# KiCad board backplane.kicad_pcb (continued)
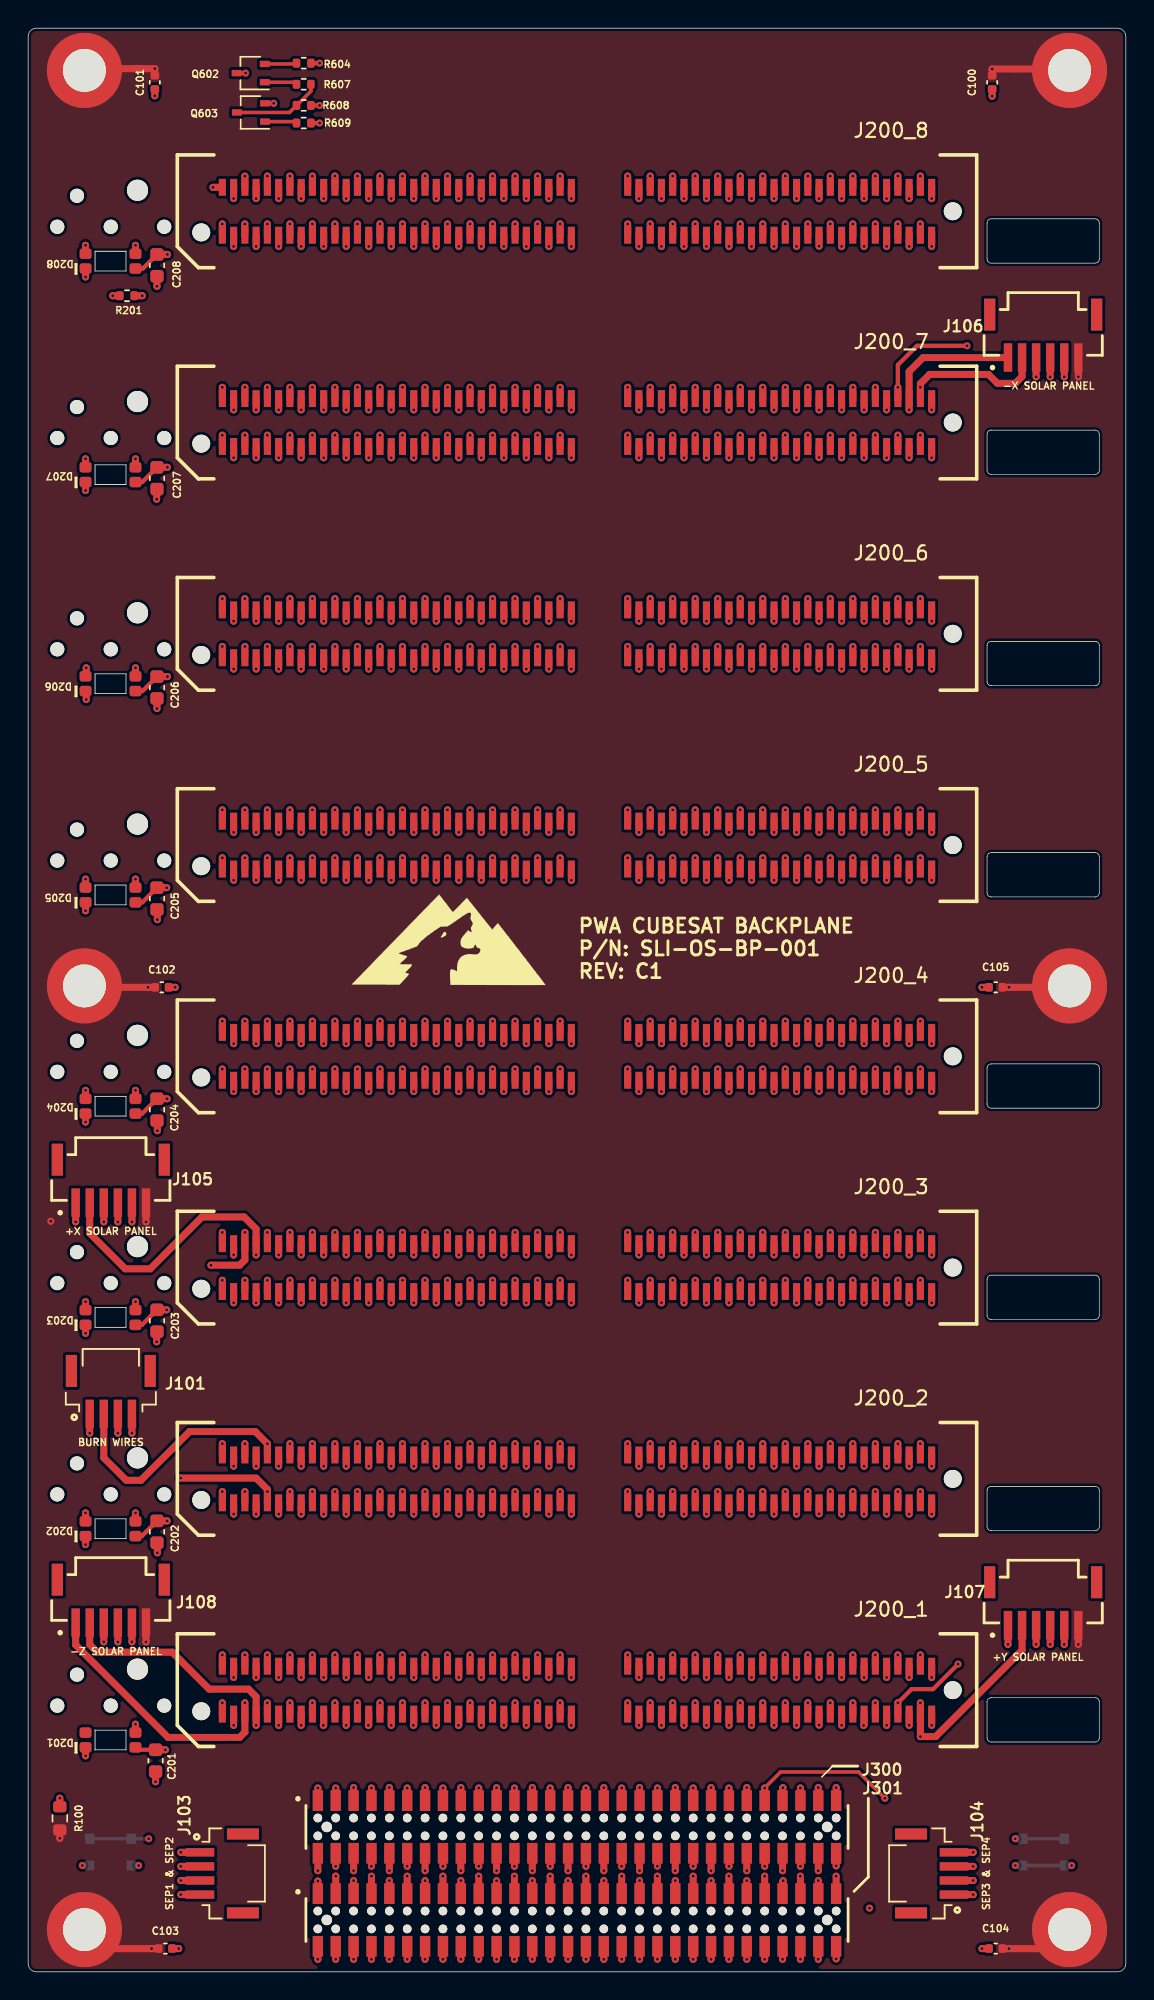
[diagram p0: board, top side]
## Routing (per net, layer and track width the routed paths; a pad name or vN(x,y) marks a point on that pad's centre or on a via; arc(x,y) is an arc through that point) (continued)
/H2-36: length 139.7
  Top w0.5: v1(48.2,20.9) 48.2,21.8 ; J301.40 v1(44.72,0.9) ; v1(48.2,110.9) 48.2,111.8 ; v1(48.2,95.9) 48.2,96.8 ; v1(48.2,65.9) 48.2,66.8 ; v1(48.2,35.9) 48.2,36.8 ; v1(48.2,125.9) 48.2,126.8 ; v1(48.2,50.9) 48.2,51.8 ; v1(48.2,80.9) 48.2,81.8
  In2.Cu w0.25: v1(48.2,20.9) 48.2,18.94 47.62,18.36 47.62,16.81 44.08,13.27 44.08,1.52 44.72,0.89
  In2.Cu w0.5: v1(48.2,125.9) 48.2,123.68 47.4,122.87 47.4,122.3 48.2,121.5 v1(48.2,110.9) ; 48.2,110.9 48.2,108.68 47.4,107.87 47.4,107.3 48.2,106.5 v1(48.2,95.9) 48.2,93.68 47.4,92.87 47.4,92.3 48.2,91.5 v1(48.2,80.9) 48.2,78.68 47.4,77.87 47.4,77.3 48.2,76.5 v1(48.2,65.9) 48.2,63.68 47.4,62.87 47.4,62.3 48.2,61.5 v1(48.2,50.9) 48.2,48.68 47.4,47.87 47.4,47.3 48.2,46.5 v1(48.2,35.9) 48.2,33.68 47.4,32.87 47.4,32.3 48.2,31.5 v1(48.2,20.9)
/H2-37: length 131.2
  Top w0.5: v1(49.8,17.5) 49.8,18.4 ; J301.41 v1(45.98,6.48) ; v1(49.8,62.5) 49.8,63.4 ; v1(49.8,32.5) 49.8,33.4 ; v1(49.8,107.5) 49.8,108.4 ; v1(49.8,77.5) 49.8,78.4 ; v1(49.8,47.5) 49.8,48.4 ; v1(49.8,122.5) 49.8,123.4 ; v1(49.8,92.5) 49.8,93.4
  In4.Cu w0.25: v1(49.8,17.5) 49.55,17.5 45.35,13.3 45.35,11.05 45.35,11.05 45.35,6.76 45.63,6.48 v1(45.98,6.48)
  In4.Cu w0.5: v1(49.8,17.5) 49.8,19.47 49,20.28 49,21.3 49.8,22.1 v1(49.8,32.5) 49.8,34.47 49,35.28 49,36.3 49.8,37.1 49.8,47.5 ; v1(49.8,47.5) 49.8,49.48 49,50.28 49,51.3 49.8,52.1 v1(49.8,62.5) 49.8,64.48 49,65.28 49,66.3 49.8,67.1 v1(49.8,77.5) 49.8,79.48 49,80.28 49,81.3 49.8,82.1 v1(49.8,92.5) 49.8,94.48 49,95.28 49,96.3 49.8,97.1 v1(49.8,107.5) 49.8,109.48 49,110.28 49,111.3 49.8,112.1 v1(49.8,122.5)
/H2-38: length 139.9
  Top w0.5: v1(49.8,20.9) 49.8,21.8 ; v1(49.8,35.9) 49.8,36.8 ; v1(49.8,95.9) 49.8,96.8 ; v1(49.8,50.9) 49.8,51.8 ; J301.42 v1(45.98,0.89) ; v1(49.8,80.9) 49.8,81.8 ; v1(49.8,125.9) 49.8,126.8 ; v1(49.8,65.9) 49.8,66.8 ; v1(49.8,110.9) 49.8,111.8
  In2.Cu w0.25: v1(49.8,20.9) 49.8,18.94 49.22,18.36 49.22,17.17 45.35,13.3 45.35,1.52 v1(45.98,0.89)
  In2.Cu w0.5: v1(49.8,125.9) 49.8,123.68 49,122.87 49,122.3 49.8,121.5 v1(49.8,110.9) ; 49.8,110.9 49.8,108.68 49,107.87 49,107.3 49.8,106.5 v1(49.8,95.9) 49.8,93.68 49,92.87 49,92.3 49.8,91.5 v1(49.8,80.9) 49.8,78.68 49,77.87 49,77.3 49.8,76.5 v1(49.8,65.9) 49.8,63.68 49,62.87 49,62.3 49.8,61.5 v1(49.8,50.9) 49.8,48.68 49,47.87 49,47.3 49.8,46.5 v1(49.8,35.9) 49.8,33.68 49,32.87 49,32.3 49.8,31.5 v1(49.8,20.9)
/H2-39: length 131.5
  Top w0.5: v1(51.4,17.5) 51.4,18.4 ; v1(51.4,107.5) 51.4,108.4 ; v1(51.4,77.5) 51.4,78.4 ; v1(51.4,47.5) 51.4,48.4 ; v1(51.4,122.5) 51.4,123.4 ; v1(51.4,62.5) 51.4,63.4 ; v1(51.4,92.5) 51.4,93.4 ; J301.43 47.25,6.79 ; v1(51.4,32.5) 51.4,33.4
  In4.Cu w0.25: v1(47.25,6.79) 46.9,6.79 46.62,7.07 46.62,13.27 50.85,17.5 v1(51.4,17.5)
  In4.Cu w0.5: v1(51.4,17.5) 51.4,19.47 50.6,20.28 50.6,21.3 51.4,22.1 v1(51.4,32.5) 51.4,34.47 50.6,35.28 50.6,36.3 51.4,37.1 51.4,47.5 ; v1(51.4,47.5) 51.4,49.48 50.6,50.28 50.6,51.3 51.4,52.1 v1(51.4,62.5) 51.4,64.48 50.6,65.28 50.6,66.3 51.4,67.1 v1(51.4,77.5) 51.4,79.48 50.6,80.28 50.6,81.3 51.4,82.1 v1(51.4,92.5) 51.4,94.48 50.6,95.28 50.6,96.3 51.4,97.1 v1(51.4,107.5) 51.4,109.48 50.6,110.28 50.6,111.3 51.4,112.1 v1(51.4,122.5)
/H2-40: length 140
  Top w0.5: v1(51.4,20.9) 51.4,21.8 ; J301.44 v1(47.25,0.89) ; v1(51.4,65.9) 51.4,66.8 ; v1(51.4,50.9) 51.4,51.8 ; v1(51.4,110.9) 51.4,111.8 ; v1(51.4,95.9) 51.4,96.8 ; v1(51.4,35.9) 51.4,36.8 ; v1(51.4,80.9) 51.4,81.8 ; v1(51.4,125.9) 51.4,126.8
  In2.Cu w0.25: v1(51.4,20.9) 51.4,18.94 50.82,18.36 50.82,17.47 46.62,13.27 46.62,1.52 v1(47.25,0.89)
  In2.Cu w0.5: v1(51.4,125.9) 51.4,123.68 50.6,122.87 50.6,122.3 51.4,121.5 v1(51.4,110.9) ; 51.4,110.9 51.4,108.68 50.6,107.87 50.6,107.3 51.4,106.5 v1(51.4,95.9) 51.4,93.68 50.6,92.87 50.6,92.3 51.4,91.5 v1(51.4,80.9) 51.4,78.68 50.6,77.87 50.6,77.3 51.4,76.5 v1(51.4,65.9) 51.4,63.68 50.6,62.87 50.6,62.3 51.4,61.5 v1(51.4,50.9) 51.4,48.68 50.6,47.87 50.6,47.3 51.4,46.5 v1(51.4,35.9) 51.4,33.68 50.6,32.87 50.6,32.3 51.4,31.5 v1(51.4,20.9)
/H2-41: length 131.9
  Top w0.5: v1(53,17.5) 53,18.4 ; J301.45 v1(48.53,6.48) ; v1(53,62.5) 53,63.4 ; v1(53,32.5) 53,33.4 ; v1(53,47.5) 53,48.4 ; v1(53,122.5) 53,123.4 ; v1(53,77.5) 53,78.4 ; v1(53,92.5) 53,93.4 ; v1(53,107.5) 53,108.4
  In4.Cu w0.25: v1(48.53,6.48) 48.17,6.48 47.89,6.76 47.89,13.3 51.51,16.92 52.42,16.92 v1(53,17.5)
  In4.Cu w0.5: v1(53,17.5) 53,19.47 52.2,20.28 52.2,21.3 53,22.1 v1(53,32.5) 53,34.47 52.2,35.28 52.2,36.3 53,37.1 53,47.5 ; v1(53,122.5) 53,112.1 52.2,111.3 52.2,110.28 53,109.48 v1(53,107.5) 53,97.1 52.2,96.3 52.2,95.28 53,94.48 v1(53,92.5) 53,82.1 52.2,81.3 52.2,80.28 53,79.48 v1(53,77.5) 53,67.1 52.2,66.3 52.2,65.28 53,64.48 v1(53,62.5) 53,52.1 52.2,51.3 52.2,50.28 53,49.48 v1(53,47.5)
/H2-42: length 140.5
  Top w0.5: v1(53,20.9) 53,21.8 ; v1(53,95.9) 53,96.8 ; v1(53,35.9) 53,36.8 ; v1(53,125.9) 53,126.8 ; v1(53,50.9) 53,51.8 ; J301.46 v1(48.53,0.89) ; v1(53,80.9) 53,81.8 ; v1(53,110.9) 53,111.8 ; v1(53,65.9) 53,66.8
  In2.Cu w0.25: v1(53,20.9) 53,18.94 52.42,18.36 52.42,17.67 51.68,16.92 51.12,16.92 47.89,13.69 47.89,1.52 v1(48.53,0.89)
  In2.Cu w0.5: v1(53,125.9) 53,123.68 52.2,122.87 52.2,122.3 53,121.5 v1(53,110.9) ; 53,110.9 53,108.68 52.2,107.87 52.2,107.3 53,106.5 v1(53,95.9) 53,93.68 52.2,92.87 52.2,92.3 53,91.5 v1(53,80.9) 53,78.68 52.2,77.87 52.2,77.3 53,76.5 v1(53,65.9) 53,63.68 52.2,62.87 52.2,62.3 53,61.5 v1(53,50.9) 53,48.68 52.2,47.87 52.2,47.3 53,46.5 v1(53,35.9) 53,33.68 52.2,32.87 52.2,32.3 53,31.5 v1(53,20.9)
/H2-43: length 132.2
  Top w0.5: v1(54.6,17.5) 54.6,18.4 ; v1(54.6,107.5) 54.6,108.4 ; v1(54.6,62.5) 54.6,63.4 ; v1(54.6,32.5) 54.6,33.4 ; v1(54.6,47.5) 54.6,48.4 ; v1(54.6,122.5) 54.6,123.4 ; v1(54.6,77.5) 54.6,78.4 ; v1(54.6,92.5) 54.6,93.4 ; J301.47 49.8,6.79
  In4.Cu w0.25: v1(54.6,17.5) 53.57,16.47 52.36,16.47 49.16,13.27 49.16,7.07 49.44,6.79 v1(49.79,6.79)
  In4.Cu w0.5: v1(54.6,17.5) 54.6,19.47 53.8,20.28 53.8,21.3 54.6,22.1 v1(54.6,32.5) 54.6,34.47 53.8,35.28 53.8,36.3 54.6,37.1 54.6,47.5 ; v1(54.6,122.5) 54.6,112.1 53.8,111.3 53.8,110.28 54.6,109.48 v1(54.6,107.5) 54.6,97.1 53.8,96.3 53.8,95.28 54.6,94.48 v1(54.6,92.5) 54.6,82.1 53.8,81.3 53.8,80.28 54.6,79.48 v1(54.6,77.5) 54.6,67.1 53.8,66.3 53.8,65.28 54.6,64.48 v1(54.6,62.5) 54.6,52.1 53.8,51.3 53.8,50.28 54.6,49.48 v1(54.6,47.5)
/H2-44: length 140.5
  Top w0.5: v1(54.6,20.9) 54.6,21.8 ; J301.48 v1(49.8,0.89) ; v1(54.6,125.9) 54.6,126.8 ; v1(54.6,80.9) 54.6,81.8 ; v1(54.6,95.9) 54.6,96.8 ; v1(54.6,50.9) 54.6,51.8 ; v1(54.6,65.9) 54.6,66.8 ; v1(54.6,35.9) 54.6,36.8 ; v1(54.6,110.9) 54.6,111.8
  In2.Cu w0.25: v1(54.6,20.9) 54.6,18.94 54.02,18.36 54.02,17.67 53.28,16.92 52.81,16.92 49.16,13.27 49.16,1.52 v1(49.8,0.89)
  In2.Cu w0.5: v1(54.6,125.9) 54.6,123.68 53.8,122.87 53.8,122.3 54.6,121.5 v1(54.6,110.9) ; 54.6,110.9 54.6,108.68 53.8,107.87 53.8,107.3 54.6,106.5 v1(54.6,95.9) 54.6,93.68 53.8,92.87 53.8,92.3 54.6,91.5 v1(54.6,80.9) 54.6,78.68 53.8,77.87 53.8,77.3 54.6,76.5 v1(54.6,65.9) 54.6,63.68 53.8,62.87 53.8,62.3 54.6,61.5 v1(54.6,50.9) 54.6,48.68 53.8,47.87 53.8,47.3 54.6,46.5 v1(54.6,35.9) 54.6,33.68 53.8,32.87 53.8,32.3 54.6,31.5 v1(54.6,20.9)
/H2-45: length 132.4
  Top w0.5: v1(56.2,122.52) 56.2,123.4 ; v1(56.2,17.52) 56.2,18.4 ; J301.49 v1(51.06,6.48) ; v1(56.2,47.52) 56.2,48.4 ; v1(56.2,92.52) 56.2,93.4 ; v1(56.2,32.52) 56.2,33.4 ; v1(56.2,77.52) 56.2,78.4 ; v1(56.2,107.52) 56.2,108.4 ; v1(56.2,62.52) 56.2,63.4
  In4.Cu w0.25: v1(56.2,17.52) 54.7,16.02 53.14,16.02 50.43,13.3 50.43,6.76 50.71,6.48 v1(51.06,6.48)
  In4.Cu w0.5: 56.2,17.5 56.2,19.47 55.4,20.28 55.4,21.3 56.2,22.1 56.2,34.47 55.4,35.28 55.4,36.3 56.2,37.1 56.2,47.5 ; 56.2,47.5 56.2,49.48 55.4,50.28 55.4,51.3 56.2,52.1 56.2,64.48 55.4,65.28 55.4,66.3 56.2,67.1 56.2,79.48 55.4,80.28 55.4,81.3 56.2,82.1 56.2,94.48 55.4,95.28 55.4,96.3 56.2,97.1 56.2,109.48 55.4,110.28 55.4,111.3 56.2,112.1 56.2,122.5
/H2-46: length 141
  Top w0.5: v1(56.2,20.9) 56.2,21.8 ; v1(56.2,95.9) 56.2,96.8 ; v1(56.2,65.9) 56.2,66.8 ; v1(56.2,50.9) 56.2,51.8 ; J301.50 v1(51.06,0.89) ; v1(56.2,35.9) 56.2,36.8 ; v1(56.2,125.9) 56.2,126.8 ; 56.2,110.9 56.2,111.8 ; v1(56.2,80.9) 56.2,81.8
  In2.Cu w0.25: v1(56.2,20.9) 56.2,18.94 55.18,17.92 55.18,17.22 54.88,16.92 53.92,16.92 50.43,13.44 50.43,1.52 v1(51.06,0.89)
  In2.Cu w0.5: v1(56.2,125.9) 56.2,123.68 55.4,122.87 55.4,122.3 56.2,121.5 56.2,110.9 ; v1(56.2,110.9) 56.2,108.68 55.4,107.87 55.4,107.3 56.2,106.5 v1(56.2,95.9) 56.2,93.68 55.4,92.87 55.4,92.3 56.2,91.5 v1(56.2,80.9) 56.2,78.68 55.4,77.87 55.4,77.3 56.2,76.5 v1(56.2,65.9) 56.2,63.68 55.4,62.87 55.4,62.3 56.2,61.5 v1(56.2,50.9) 56.2,48.68 55.4,47.87 55.4,47.3 56.2,46.5 v1(56.2,35.9) 56.2,33.68 55.4,32.87 55.4,32.3 56.2,31.5 v1(56.2,20.9)
/H2-49: length 133.1
  Top w0.5: v1(59.4,32.5) 59.4,33.4 ; v1(59.36,17.5) 59.4,17.54 59.4,18.4 ; v1(59.4,107.5) 59.4,108.4 ; v1(59.4,122.5) 59.4,123.4 ; v1(59.4,62.5) 59.4,63.4 ; J301.53 53.61,6.39 53.65,6.43 ; v1(59.4,92.5) 59.4,93.4 ; v1(59.4,47.5) 59.4,48.4 ; v1(59.4,77.5) 59.4,78.4
  In4.Cu w0.25: 53.61,6.48 53.25,6.48 52.97,6.76 52.97,13.26 54.81,15.11 56.97,15.11 v1(59.36,17.5)
  In4.Cu w0.5: 59.4,47.5 59.4,37.1 58.6,36.3 58.6,35.28 59.4,34.47 v1(59.4,32.5) 59.4,22.1 58.6,21.3 58.6,20.28 59.36,19.51 v1(59.36,17.5) ; v1(59.4,47.5) 59.4,49.48 58.6,50.28 58.6,51.3 59.4,52.1 v1(59.4,62.5) 59.4,64.48 58.6,65.28 58.6,66.3 59.4,67.1 v1(59.4,77.5) 59.4,79.48 58.6,80.28 58.6,81.3 59.4,82.1 v1(59.4,92.5) 59.4,94.48 58.6,95.28 58.6,96.3 59.4,97.1 v1(59.4,107.5) 59.4,109.48 58.6,110.28 58.6,111.3 59.4,112.1 v1(59.4,122.5)
  vias: v1(53.65,6.48)
/H2-50: length 141.5
  Top w0.5: v1(59.4,20.9) 59.4,21.8 ; J301.54 v1(53.61,0.89) ; v1(59.4,110.9) 59.4,111.8 ; v1(59.4,65.9) 59.4,66.8 ; v1(59.4,80.9) 59.4,81.8 ; v1(59.4,95.9) 59.4,96.8 ; v1(59.4,35.9) 59.4,36.8 ; v1(59.4,125.9) 59.4,126.8 ; v1(59.4,50.9) 59.4,51.8
  In2.Cu w0.25: v1(59.4,20.9) 59.4,18.94 58.78,18.32 58.78,17.63 57.17,16.02 55.72,16.02 52.97,13.27 52.97,1.52 v1(53.61,0.89)
  In2.Cu w0.5: v1(59.4,125.9) 59.4,123.68 58.6,122.87 58.6,122.3 59.4,121.5 v1(59.4,110.9) ; 59.4,110.9 59.4,108.68 58.6,107.87 58.6,107.3 59.4,106.5 v1(59.4,95.9) 59.4,93.68 58.6,92.87 58.6,92.3 59.4,91.5 v1(59.4,80.9) 59.4,78.68 58.6,77.87 58.6,77.3 59.4,76.5 v1(59.4,65.9) 59.4,63.68 58.6,62.87 58.6,62.3 59.4,61.5 v1(59.4,50.9) 59.4,48.68 58.6,47.87 58.6,47.3 59.4,46.5 v1(59.4,35.9) 59.4,33.68 58.6,32.87 58.6,32.3 59.4,31.5 v1(59.4,20.9)
/LED Driver/DIN_LED: length 4.9
  Top w0.5: 7.6,119 v1(8.11,119) ; D208.3 v1(7.63,122.58)
  In1.Cu w0.25: v1(7.63,122.58) 7.63,119.48 v1(8.11,119)
/LED Driver/~{enable}: length 6.4
  Top w0.25: Q603.3 18.57,132.02 R608.2 ; 19.08,132.52 20.09,133.53 R607.1
/RBF: length 125.4
  Top w0.5: v1(28.2,124.1) 28.2,123.2 ; v1(28.2,19.1) 28.2,18.2 ; v1(28.2,109.1) 28.2,108.2 ; v1(28.2,34.1) 28.2,33.2 ; v1(28.2,79.1) 28.2,78.2 ; v1(28.2,94.1) 28.2,93.2 ; v1(28.2,64.1) 28.2,63.2 ; v1(28.2,49.1) 28.2,48.2 ; J300.19 v1(32.02,13.05)
  In1.Cu w0.25: v1(28.2,19.1) 28.2,16.86 v1(32.02,13.05)
  In1.Cu w0.5: v1(28.2,19.1) 28.2,21.3 29,22.1 29,31.5 28.2,32.3 v1(28.2,34.1) 28.2,36.3 29,37.1 29,46.5 ; v1(28.2,124.1) 28.2,122.3 29,121.5 29,112.1 28.2,111.3 v1(28.2,109.1) 28.2,107.3 29,106.5 29,97.1 28.2,96.3 v1(28.2,94.1) 28.2,92.3 29,91.5 29,82.1 28.2,81.3 v1(28.2,79.1) 28.2,77.3 29,76.5 29,67.1 28.2,66.3 v1(28.2,64.1) 28.2,62.3 29,61.5 29,52.1 28.2,51.3 v1(28.2,49.1) 28.2,47.3 29,46.5
/SELF_TEST: length 149.6
  Top w0.25: v1(60.88,12.32) 59,14.19 53.47,14.19 52.33,13.06 v1(52.33,13.05)
  Top w0.5: v1(57,19.1) 57,18.2 ; v1(57,109.1) 57,108.2 ; v1(57,79.1) 57,78.2 ; J300.51 v1(52.33,13.05) ; v1(57,34.1) 57,33.2 ; v1(57,49.1) 57,48.2 ; v1(57,64.1) 57,63.2 ; v1(57,94.1) 57,93.2 ; v1(57,124.1) 57,123.2
  In1.Cu w0.25: v1(70.15,9.45) 67.28,12.32 v1(60.88,12.32) ; v1(52.33,13.05) 55.91,16.62 56.16,16.62 57,17.46 v1(57,19.1)
  In1.Cu w0.5: 57.8,46.5 57,47.3 v1(57,49.1) 57,51.3 57.8,52.1 57.8,61.5 57,62.3 v1(57,64.1) 57,66.3 57.8,67.1 57.8,76.5 57,77.3 v1(57,79.1) 57,81.3 57.8,82.1 57.8,91.5 57,92.3 v1(57,94.1) 57,96.3 57.8,97.1 57.8,106.5 57,107.3 v1(57,109.1) 57,111.3 57.8,112.1 57.8,121.5 57,122.3 v1(57,124.1) ; 57.8,46.5 57.8,37.1 57,36.3 v1(57,34.1) 57,32.3 57.8,31.5 57.8,22.1 57,21.3 v1(57,19.1)
  Bottom w0.25: SW101.2 SW101.2
  Bottom w0.5: SW101.2 v1(70.15,9.45)
/SEP1: length 148.1
  Top w0.5: v1(13.8,124.1) 13.8,123.2 ; v1(13.8,19.1) 13.8,18.2 ; v1(13.8,49.1) 13.8,48.2 ; v1(13.8,64.1) 13.8,63.2 ; 20.58,12.16 v1(20.58,13.05) ; v1(13.8,34.1) 13.8,33.2 ; J103.1 v1(10.85,8.49) ; v1(13.8,109.1) 13.8,108.2 ; v1(13.8,94.1) 13.8,93.2 ; v1(13.8,79.1) 13.8,78.2
  In1.Cu w0.25: v1(13.8,19.1) 13.8,17.45 18.2,13.05 v1(20.58,13.05) 10.54,13.05 7.53,10.04 7.53,9.28 8.32,8.49 v1(10.85,8.49)
  In1.Cu w0.5: 14.6,46.5 14.6,37.1 13.8,36.3 v1(13.8,34.1) 13.8,32.3 14.6,31.5 14.6,22.1 13.8,21.3 v1(13.8,19.1) ; v1(13.8,124.1) 13.8,122.3 14.6,121.5 14.6,112.1 13.8,111.3 v1(13.8,109.1) 13.8,107.3 14.6,106.5 14.6,97.1 13.8,96.3 v1(13.8,94.1) 13.8,92.3 14.6,91.5 14.6,82.1 13.8,81.3 v1(13.8,79.1) 13.8,77.3 14.6,76.5 14.6,67.1 13.8,66.3 v1(13.8,64.1) 13.8,62.3 14.6,61.5 14.6,52.1 13.8,51.3 v1(13.8,49.1) 13.8,47.3 14.6,46.5
/SEP1_RET: length 174.2
  Top w0.5: v1(60.2,19.1) 60.2,18.2 ; v1(60.2,49.1) 60.2,48.2 ; v1(60.2,34.1) 60.2,33.2 ; J103.2 v1(10.85,7.49) ; v1(60.2,79.1) 60.2,78.2 ; v1(60.2,124.1) 60.2,123.2 ; J300.55 v1(54.88,13.05) ; v1(60.2,109.1) 60.2,108.2 ; v1(60.2,64.1) 60.2,63.2 ; v1(60.2,94.1) 60.2,93.2
  In1.Cu w0.25: v1(60.2,19.1) 60.2,17.48 58.51,15.79 57.62,15.79 v1(54.88,13.05) 54.88,12.99 53.7,11.82 15.18,11.82 v1(10.85,7.49)
  In1.Cu w0.5: v1(60.2,19.1) 60.2,21.3 61,22.1 61,31.5 60.2,32.3 v1(60.2,34.1) 60.2,36.3 61,37.1 61,46.5 ; v1(60.2,124.1) 60.2,122.3 61,121.5 61,112.1 60.2,111.3 v1(60.2,109.1) 60.2,107.3 61,106.5 61,97.1 60.2,96.3 v1(60.2,94.1) 60.2,92.3 61,91.5 61,82.1 60.2,81.3 v1(60.2,79.1) 60.2,77.3 61,76.5 61,67.1 60.2,66.3 v1(60.2,64.1) 60.2,62.3 61,61.5 61,52.1 60.2,51.3 v1(60.2,49.1) 60.2,47.3 61,46.5
/SEP2: length 146.7
  Top w0.5: v1(13.8,22.5) 13.8,21.6 ; 20.58,8.42 v1(20.58,7.18) ; v1(13.8,112.5) 13.8,111.6 ; v1(13.8,37.5) 13.8,36.6 ; v1(13.8,97.5) 13.8,96.6 ; v1(13.8,67.5) 13.8,66.6 ; J200_8.2 v1(13.14,126.7) ; v1(13.8,82.5) 13.8,81.6 ; v1(13.8,52.5) 13.8,51.6 ; J103.3 v1(10.85,6.49)
  In1.Cu w0.25: v1(20.58,7.18) 13.06,7.18 12.36,6.48 10.85,6.48 v1(10.85,6.49)
  In3.Cu w0.25: v1(20.58,7.18) 20.58,7.77 19.26,9.09 19.26,13.26 15.38,17.15 15.38,17.58 14.38,18.58 14.38,19.38 13.8,19.95 v1(13.8,22.5)
  In3.Cu w0.5: v1(13.8,22.5) 13.8,32.87 14.6,33.67 14.6,34.65 13.8,35.5 v1(13.8,37.5) 13.8,47.87 14.6,48.67 14.6,49.65 13.8,50.5 v1(13.8,52.5) 13.8,62.87 14.6,63.67 14.6,64.65 13.8,65.5 v1(13.8,67.5) 13.8,77.87 14.6,78.67 14.6,79.65 13.8,80.5 v1(13.8,82.5) 13.8,92.87 14.6,93.67 14.6,94.65 13.8,95.5 v1(13.8,97.5) 13.8,107.87 14.6,108.67 14.6,109.65 13.8,110.5 v1(13.8,112.5) 13.8,122.87 14.6,123.67 14.6,124.65 13.75,125.5 13.75,126.09 v1(13.14,126.7)
/SEP2_RET: length 184
  Top w0.5: v1(60.2,22.5) 60.2,21.6 ; J300.56 v1(54.88,7.49) ; J103.4 v1(10.85,5.49) ; v1(60.2,82.5) 60.2,81.6 ; v1(60.2,112.5) 60.2,111.6 ; v1(60.2,37.5) 60.2,36.6 ; v1(60.2,67.5) 60.2,66.6 ; v1(60.2,127.5) 60.2,126.6 ; v1(60.2,97.5) 60.2,96.6 ; v1(60.2,52.5) 60.2,51.6
  In1.Cu w0.25: v1(54.88,7.49) 54.76,7.49 54.27,7 54.27,6.1 53.65,5.49 v1(10.85,5.49)
  In3.Cu w0.25: v1(60.2,22.5) 60.2,19.95 60.78,19.38 60.78,18.6 60.42,18.25 60.42,17.11 58.88,15.56 56.53,15.56 54.24,13.27 54.24,8.13 v1(54.88,7.49)
  In3.Cu w0.5: v1(60.2,22.5) 60.2,32.87 61,33.67 61,34.65 60.2,35.5 v1(60.2,37.5) 60.2,47.87 61,48.67 61,49.65 60.2,50.5 v1(60.2,52.5) 60.2,62.87 61,63.67 61,64.65 60.2,65.5 v1(60.2,67.5) 60.2,77.87 61,78.67 61,79.65 60.2,80.5 v1(60.2,82.5) 60.2,92.87 61,93.67 61,94.65 60.2,95.5 v1(60.2,97.5) 60.2,107.87 61,108.67 61,109.65 60.2,110.5 v1(60.2,112.5) 60.2,122.87 61,123.67 61,124.65 60.2,125.5 v1(60.2,127.5)
/SEP3: length 143.9
  Top w0.5: v1(64.2,17.5) 64.2,18.4 ; 57.42,5.55 57.42,6.79 ; v1(64.2,107.5) 64.2,108.4 ; v1(64.2,47.5) 64.2,48.4 ; v1(64.2,92.5) 64.2,93.4 ; J104.1 v1(67.15,5.49) ; v1(64.2,77.5) 64.2,78.4 ; v1(64.2,62.5) 64.2,63.4 ; v1(64.2,32.5) 64.2,33.4 ; v1(64.2,122.5) 64.2,123.4
  In1.Cu w0.25: v1(67.15,5.49) 64.16,5.49 62.85,6.79 v1(57.41,6.79)
  In4.Cu w0.25: v1(57.41,6.79) 57.77,6.79 58.56,7.58 58.56,11.86 62.03,15.33 62.88,15.33 64.2,16.65 v1(64.2,17.5)
  In4.Cu w0.5: v1(64.2,122.5) 64.2,112.1 63.4,111.3 63.4,110.28 64.2,109.48 v1(64.2,107.5) 64.2,97.1 63.4,96.3 63.4,95.28 64.2,94.48 v1(64.2,92.5) 64.2,82.1 63.4,81.3 63.4,80.28 64.2,79.48 v1(64.2,77.5) 64.2,67.1 63.4,66.3 63.4,65.28 64.2,64.48 v1(64.2,62.5) 64.2,52.1 63.4,51.3 63.4,50.28 64.2,49.48 v1(64.2,47.5) ; v1(64.2,17.5) 64.2,19.47 63.4,20.28 63.4,21.3 64.2,22.1 v1(64.2,32.5) 64.2,34.47 63.4,35.28 63.4,36.3 64.2,37.1 64.2,47.5
/SEP3_RET: length 148.9
  Top w0.5: v1(61,32.5) 61,33.4 ; v1(61,47.5) 61,48.4 ; v1(61,107.5) 61,108.4 ; v1(61,92.5) 61,93.4 ; J301.55 54.88,6.79 ; 61,18.4 61,17.5 v1(61,17.5) ; v1(61,122.5) 61,123.4 ; v1(61,62.5) 61,63.4 ; v1(61,77.5) 61,78.4 ; J104.2 v1(67.15,6.49)
  In1.Cu w0.25: v1(54.87,6.79) 54.99,6.79 55.45,7.25 55.45,7.67 55.89,8.1 62.68,8.1 64.3,6.49 v1(67.15,6.49)
  In4.Cu w0.25: v1(61,17.5) 58.16,14.66 55.18,14.66 54.24,13.72 54.24,7.07 54.52,6.79 v1(54.87,6.79)
  In4.Cu w0.5: 61,47.5 61,37.1 60.2,36.3 60.2,35.28 61,34.47 v1(61,32.5) 61,22.1 60.2,21.3 60.2,20.28 61,19.47 v1(61,17.5) ; v1(61,47.5) 61,49.48 60.2,50.28 60.2,51.3 61,52.1 v1(61,62.5) 61,64.48 60.2,65.28 60.2,66.3 61,67.1 v1(61,77.5) 61,79.48 60.2,80.28 60.2,81.3 61,82.1 v1(61,92.5) 61,94.48 60.2,95.28 60.2,96.3 61,97.1 v1(61,107.5) 61,109.48 60.2,110.28 60.2,111.3 61,112.1 v1(61,122.5)
/SEP4: length 159.2
  Top w0.5: v1(64.2,125.9) 64.2,126.8 ; v1(64.2,20.9) 64.2,21.8 ; 57.42,1.81 v1(57.42,0.92) ; v1(64.2,50.9) 64.2,51.8 ; v1(64.2,35.9) 64.2,36.8 ; J104.3 v1(67.15,7.49) ; v1(64.2,65.9) 64.2,66.8 ; v1(64.2,80.9) 64.2,81.8 ; v1(64.2,95.9) 64.2,96.8 ; v1(64.2,110.9) 64.2,111.8
  In1.Cu w0.25: v1(67.15,7.49) 68,7.49 68.24,7.24 68.24,5.09 67.35,4.2 60.69,4.2 v1(57.42,0.92)
  In2.Cu w0.25: v1(57.42,0.92) 58.18,1.68 58.18,12.32 58.18,12.32 61.99,16.13 63.68,16.13 64.78,17.23 64.78,18.02 64.2,18.6 v1(64.2,20.9)
  In2.Cu w0.5: v1(64.2,125.9) 64.2,123.68 63.4,122.87 63.4,122.3 64.2,121.5 v1(64.2,110.9) ; 64.2,110.9 64.2,108.68 63.4,107.87 63.4,107.3 64.2,106.5 v1(64.2,95.9) 64.2,93.68 63.4,92.87 63.4,92.3 64.2,91.5 v1(64.2,80.9) 64.2,78.68 63.4,77.87 63.4,77.3 64.2,76.5 v1(64.2,65.9) 64.2,63.68 63.4,62.87 63.4,62.3 64.2,61.5 v1(64.2,50.9) 64.2,48.68 63.4,47.87 63.4,47.3 64.2,46.5 v1(64.2,35.9) 64.2,33.68 63.4,32.87 63.4,32.3 64.2,31.5 v1(64.2,20.9)
/SEP4_RET: length 158.7
  Top w0.5: v1(61,20.9) 61,21.8 ; J301.56 v1(54.88,0.89) ; v1(61,95.9) 61,96.8 ; v1(61,35.9) 61,36.8 ; v1(61,80.9) 61,81.8 ; v1(61,50.9) 61,51.8 ; J104.4 v1(67.15,8.49) ; v1(61,110.9) 61,111.8 ; v1(61,65.9) 61,66.8 ; v1(61,125.9) 61,126.8
  In1.Cu w0.25: v1(54.88,0.89) 55.9,1.91 57.17,1.91 v1(59.78,4.52)
  In2.Cu w0.25: v1(59.78,4.52) 63.75,8.49 v1(67.15,8.49) ; v1(61,20.9) 61,18.94 60.42,18.36 60.42,17.7 58.28,15.56 56.34,15.56 54.24,13.46 54.24,1.52 v1(54.88,0.89)
  In2.Cu w0.5: v1(61,125.9) 61,123.68 60.2,122.87 60.2,122.3 61,121.5 v1(61,110.9) ; 61,110.9 61,108.68 60.2,107.87 60.2,107.3 61,106.5 v1(61,95.9) 61,93.68 60.2,92.87 60.2,92.3 61,91.5 v1(61,80.9) 61,78.68 60.2,77.87 60.2,77.3 61,76.5 v1(61,65.9) 61,63.68 60.2,62.87 60.2,62.3 61,61.5 v1(61,50.9) 61,48.68 60.2,47.87 60.2,47.3 61,46.5 v1(61,35.9) 61,33.68 60.2,32.87 60.2,32.3 61,31.5 v1(61,20.9)
/USER_1: length 179.6
  Top w0.3: R604.2 v1(20.71,135.52)
  Top w0.5: v1(57,22.5) 57,21.6 ; J300.52 v1(52.33,7.49) ; v1(57,82.5) 57,81.6 ; v1(57,67.5) 57,66.6 ; v1(57,97.5) 57,96.6 ; v1(57,127.5) 57,126.6 ; v1(57,112.5) 57,111.6 ; v1(57,37.5) 57,36.6 ; v1(57,52.5) 57,51.6
  In2.Cu w0.3: v1(57,127.5) 57,132.66 54.14,135.52 v1(20.71,135.52)
  In3.Cu w0.25: v1(57,22.5) 57,19.95 57.58,19.38 57.58,18.71 57.22,18.35 57.22,17.53 56.16,16.47 54.9,16.47 51.7,13.27 51.7,8.13 v1(52.33,7.49)
  In3.Cu w0.5: v1(57,22.5) 57,32.87 57.8,33.67 57.8,34.65 57,35.5 v1(57,37.5) 57,47.87 57.8,48.67 57.8,49.65 57,50.5 v1(57,52.5) 57,62.87 57.8,63.67 57.8,64.65 57,65.5 v1(57,67.5) 57,77.87 57.8,78.67 57.8,79.65 57,80.5 v1(57,82.5) 57,92.87 57.8,93.67 57.8,94.65 57,95.5 v1(57,97.5) 57,107.87 57.8,108.67 57.8,109.65 57,110.5 v1(57,112.5) 57,122.87 57.8,123.67 57.8,124.65 57,125.5 v1(57,127.5)
/USER_2: length 126.2
  Top w0.5: v1(58.6,19.1) 58.6,18.2 ; v1(58.6,94.1) 58.6,93.2 ; v1(58.6,124.1) 58.6,123.2 ; v1(58.6,64.1) 58.6,63.2 ; v1(58.6,109.1) 58.6,108.2 ; v1(58.6,79.1) 58.6,78.2 ; J300.53 53.61,13.04 v1(53.63,13.07) ; v1(58.6,34.1) 58.6,33.2 ; v1(58.6,49.1) 58.6,48.2
  In1.Cu w0.25: v1(53.63,13.07) 57.14,16.58 57.73,16.58 58.6,17.45 v1(58.6,19.1)
  In1.Cu w0.5: 59.4,46.5 59.4,37.1 58.6,36.3 v1(58.6,34.1) 58.6,32.3 59.4,31.5 59.4,22.1 58.6,21.3 v1(58.6,19.1) ; 59.4,46.5 58.6,47.3 v1(58.6,49.1) 58.6,51.3 59.4,52.1 59.4,61.5 58.6,62.3 v1(58.6,64.1) 58.6,66.3 59.4,67.1 59.4,76.5 58.6,77.3 v1(58.6,79.1) 58.6,81.3 59.4,82.1 59.4,91.5 58.6,92.3 v1(58.6,94.1) 58.6,96.3 59.4,97.1 59.4,106.5 58.6,107.3 v1(58.6,109.1) 58.6,111.3 59.4,112.1 59.4,121.5 58.6,122.3 v1(58.6,124.1)
/USER_3: length 137.4
  Top w0.5: v1(58.6,22.5) 58.6,21.6 ; v1(58.6,67.5) 58.6,66.6 ; v1(58.6,82.5) 58.6,81.6 ; v1(58.6,37.5) 58.6,36.6 ; v1(58.6,127.5) 58.6,126.6 ; v1(58.6,112.5) 58.6,111.6 ; J300.54 v1(53.61,7.18) ; v1(58.6,52.5) 58.6,51.6 ; v1(58.6,97.5) 58.6,96.6
  In3.Cu w0.25: v1(58.6,22.5) 58.6,19.95 59.18,19.38 59.18,18.59 58.78,18.2 58.78,17.3 57.5,16.02 55.72,16.02 52.97,13.27 52.97,7.81 v1(53.61,7.18)
  In3.Cu w0.5: v1(58.6,22.5) 58.6,32.87 59.4,33.67 59.4,34.65 58.6,35.5 v1(58.6,37.5) 58.6,47.87 59.4,48.67 59.4,49.65 58.6,50.5 v1(58.6,52.5) 58.6,62.87 59.4,63.67 59.4,64.65 58.6,65.5 v1(58.6,67.5) 58.6,77.87 59.4,78.67 59.4,79.65 58.6,80.5 v1(58.6,82.5) 58.6,92.87 59.4,93.67 59.4,94.65 58.6,95.5 v1(58.6,97.5) 58.6,107.87 59.4,108.67 59.4,109.65 58.6,110.5 v1(58.6,112.5) 58.6,122.87 59.4,123.67 59.4,124.65 58.6,125.5 v1(58.6,127.5)
CHS: length 35.9
  Top w0.3: 7.53,135.13 4.13,135.13
  Top w0.5: C102.2 v1(8.52,69.9) 4.1,69.9 ; C100.2 v1(68.5,135.1) 73.9,135.1 ; J108.6 v1(8.38,23.43) ; 72.65,1.65 v1(69.7,1.65) C104.2 ; v1(2.25,9.47) R100.2 ; 7.92,135.13 6.27,135.13 ; 7.92,135.13 v1(9,135.13) C101.2 ; 7.92,135.13 7.53,135.13 ; 73.9,69.9 v1(69.7,69.9) C105.2 ; J105.6 v1(8.38,53.25) ; C103.2 v1(8.77,1.65) 5.35,1.65 ; J107.6 v1(74.62,23.25) ; J106.6 v1(74.62,113.25)
  vias: v1(1.61,53.29)
Net-(D201-Pad3): length 18.6
  Top w0.5: D202.2 v1(4.08,32.58) ; D201.3 v1(7.63,17.58)
  In1.Cu w0.25: v1(7.63,17.58) 7.63,19.27 3,23.9 3,30.4 4.08,31.48 v1(4.08,32.58)
Net-(D202-Pad3): length 18.6
  Top w0.5: D203.2 v1(4.08,47.58) ; D202.3 v1(7.63,32.58)
  In1.Cu w0.25: v1(4.08,47.58) 4.08,46.98 3,45.9 3,38.4 7.63,33.77 v1(7.63,32.58)
Net-(D203-Pad3): length 18.7
  Top w0.5: 4.08,61.98 v1(4.08,62.58) ; D203.3 v1(7.63,47.58)
  In1.Cu w0.25: v1(4.08,62.58) 2.8,61.3 2.8,55.1 4.5,53.4 4.5,52.4 7.63,49.27 v1(7.63,47.58)
Net-(D204-Pad3): length 20.5
  Top w0.5: 7.63,61.98 v1(7.63,62.58) ; 4.08,76.98 v1(4.08,77.58)
  In1.Cu w0.25: v1(4.08,77.58) 4.08,76.48 3.5,75.9 3.5,74.9 4,74.4 6,74.4 7.95,72.45 7.95,68.45 9,67.4 9,64.9 7.63,63.53 v1(7.63,62.58)
Net-(D205-Pad3): length 18.2
  Top w0.5: 4.13,91.98 v1(4.13,92.58) ; 7.63,76.98 v1(7.63,77.58)
  In1.Cu w0.25: v1(4.13,92.58) 4.13,91.53 3.5,90.9 3.5,83.4 7.63,79.27 v1(7.63,77.58)
Net-(D206-Pad3): length 18
  Top w0.5: D207.2 v1(4.08,107.42) ; D206.3 v1(7.63,92.58)
  In1.Cu w0.25: v1(4.08,107.42) 4.08,106.48 3.5,105.9 3.5,98.4 7.63,94.27 v1(7.63,92.58)
Net-(D207-Pad3): length 19.2
  Top w0.5: D207.3 v1(7.63,107.42) ; D208.2 v1(4.08,122.58)
  In1.Cu w0.25: v1(4.08,122.58) 3.18,122.58 3,122.4 3,113.9 7.63,109.27 v1(7.63,107.42)
Net-(Q602-Pad1): length 2.1
  Top w0.25: Q602.1 18.93,134.16
Net-(Q602-Pad2): length 2.2
  Top w0.25: 19.01,135.46 Q602.2
Net-(Q602-Pad3): length 23.8
  Top w0.3: Q602.3 v1(15.45,134.81)
  Top w0.5: R201.2 v1(6.01,119)
  In1.Cu w0.25: v1(15.45,134.81) 10.83,130.19 10.83,127.26 8.5,124.93 8.5,119.5 8.8,119.2 8.8,118.7 8,117.9 7.11,117.9 v1(6.01,119)
Net-(Q603-Pad1): length 2.1
  Top w0.25: Q603.1 18.97,131.37

## Copper pours and planes (outline as drawn; the poured copper is in the pictures)
/5V_USB on In4.Cu: 78.5,138 78.5,0 -0.5,0 -0.5,138
GND on In1.Cu: 78.5,138 78.5,0 -0.5,0 -0.5,138
GND on In2.Cu: 78.5,138 78.5,0 -0.5,0 -0.5,138
GND on In3.Cu: 78.5,138 78.5,0 -0.5,0 -0.5,138
CHS on Top: 78.5,138 78.5,0 -0.5,0 -0.5,138
CHS on Bottom: 78.5,0 -0.5,0 -0.5,138 78.5,138

## Text on the board
B.Silkscreen: RESET | SELF TEST | BACKPLANE BREAKOUT
User.Comments: Copper Layer Count: | Board overall dimensions: | Min track/spacing: | Copper Finish: | Castellated pads: | Edge card connectors: | 6 | 78.0000 mm x 138.0000 mm | 0.2032 mm / 0.2032 mm | Immersion gold | No | Board Thickness: | Min hole diameter: | Impedance Control: | Plated Board Edge: | 1.6000 mm | 0.2000 mm | D101-D108 are mounted upside-down. / Assemble with leaded solder. / White soldermask, black silkscreen. / Fabricate on polyimide. / 2oz outer, 2oz inner copper. | BOARD CHARACTERISTICS | NOTES:
User.Drawings: 2oz copper all layers
F.Mask: HILLIS | KORNOWSKI
F.Silkscreen: +X SOLAR PANEL | BURN WIRES | -Z SOLAR PANEL | +Y SOLAR PANEL | -X SOLAR PANEL | SEP1 & SEP2 | SEP3 & SEP4 | PWA CUBESAT BACKPLANE / P/N: SLI-OS-BP-001 / REV: C1
